# Altium PCB RK_NVR_DEMO1_RK3588_LP4XD200P232SD8_V21_20211228_final_lint.PcbDoc (part 1 of 29) (continued)
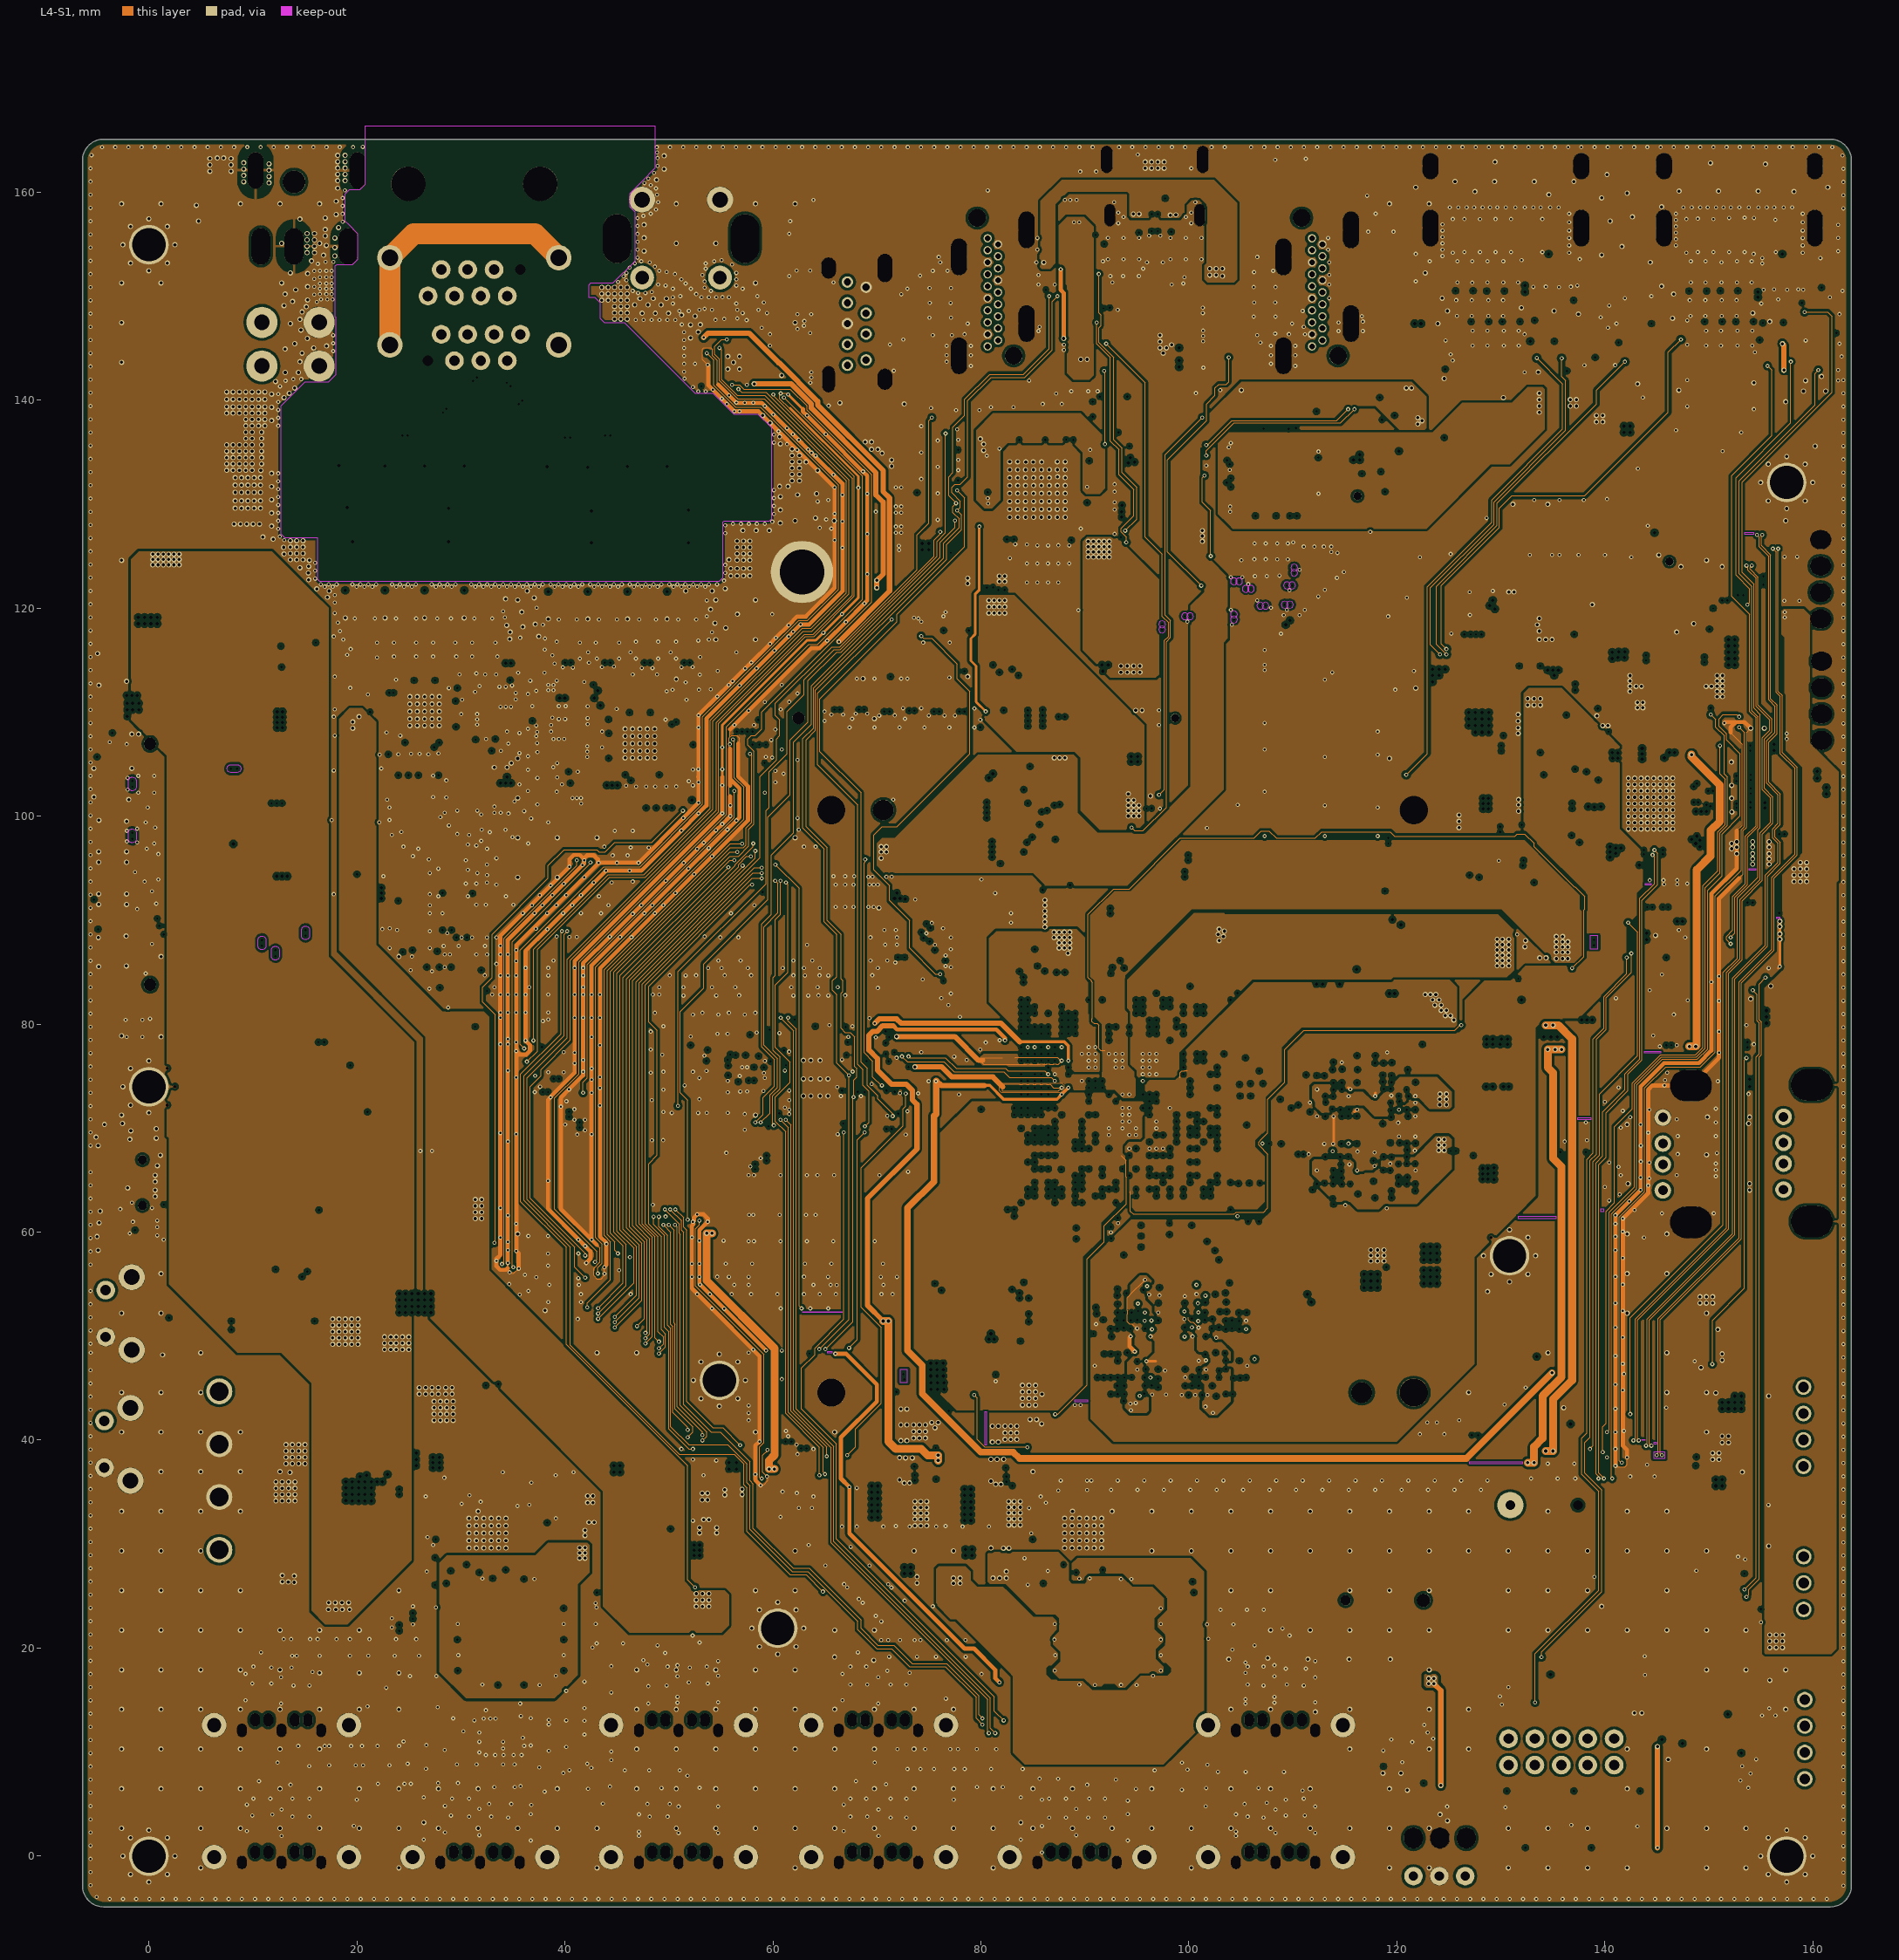
[diagram p4: L4-S1]
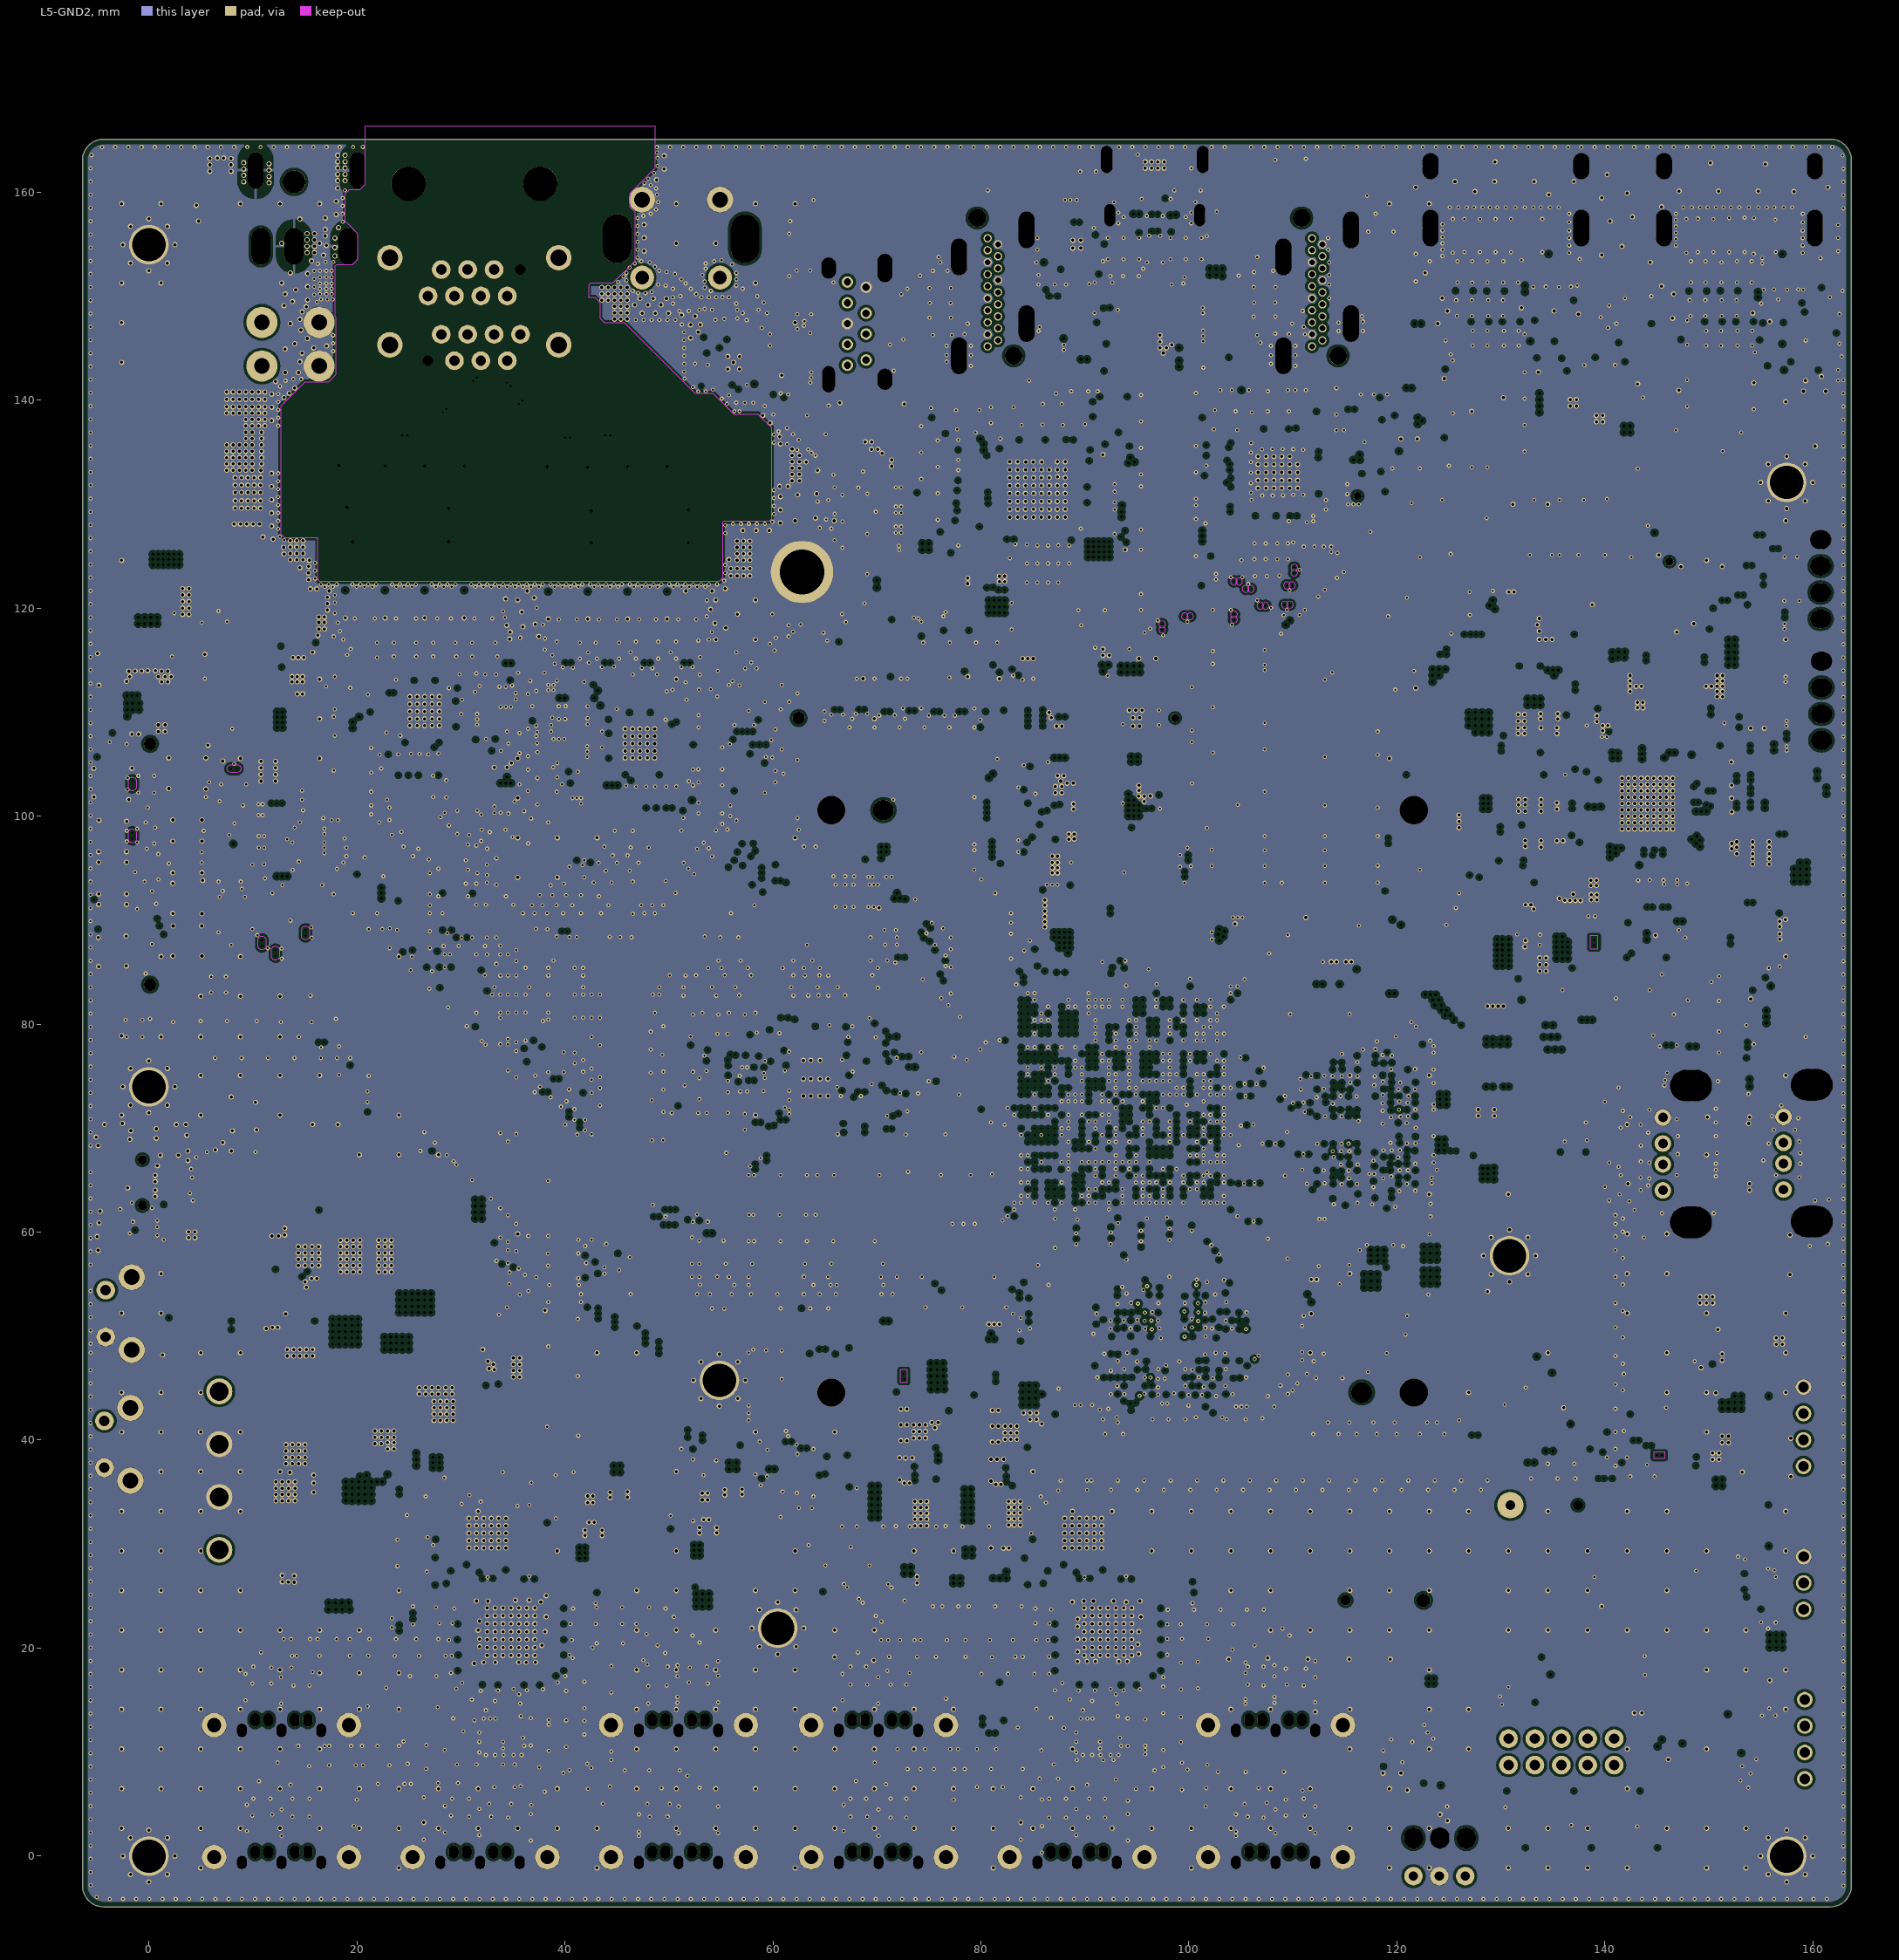
[diagram p5: L5-GND2]
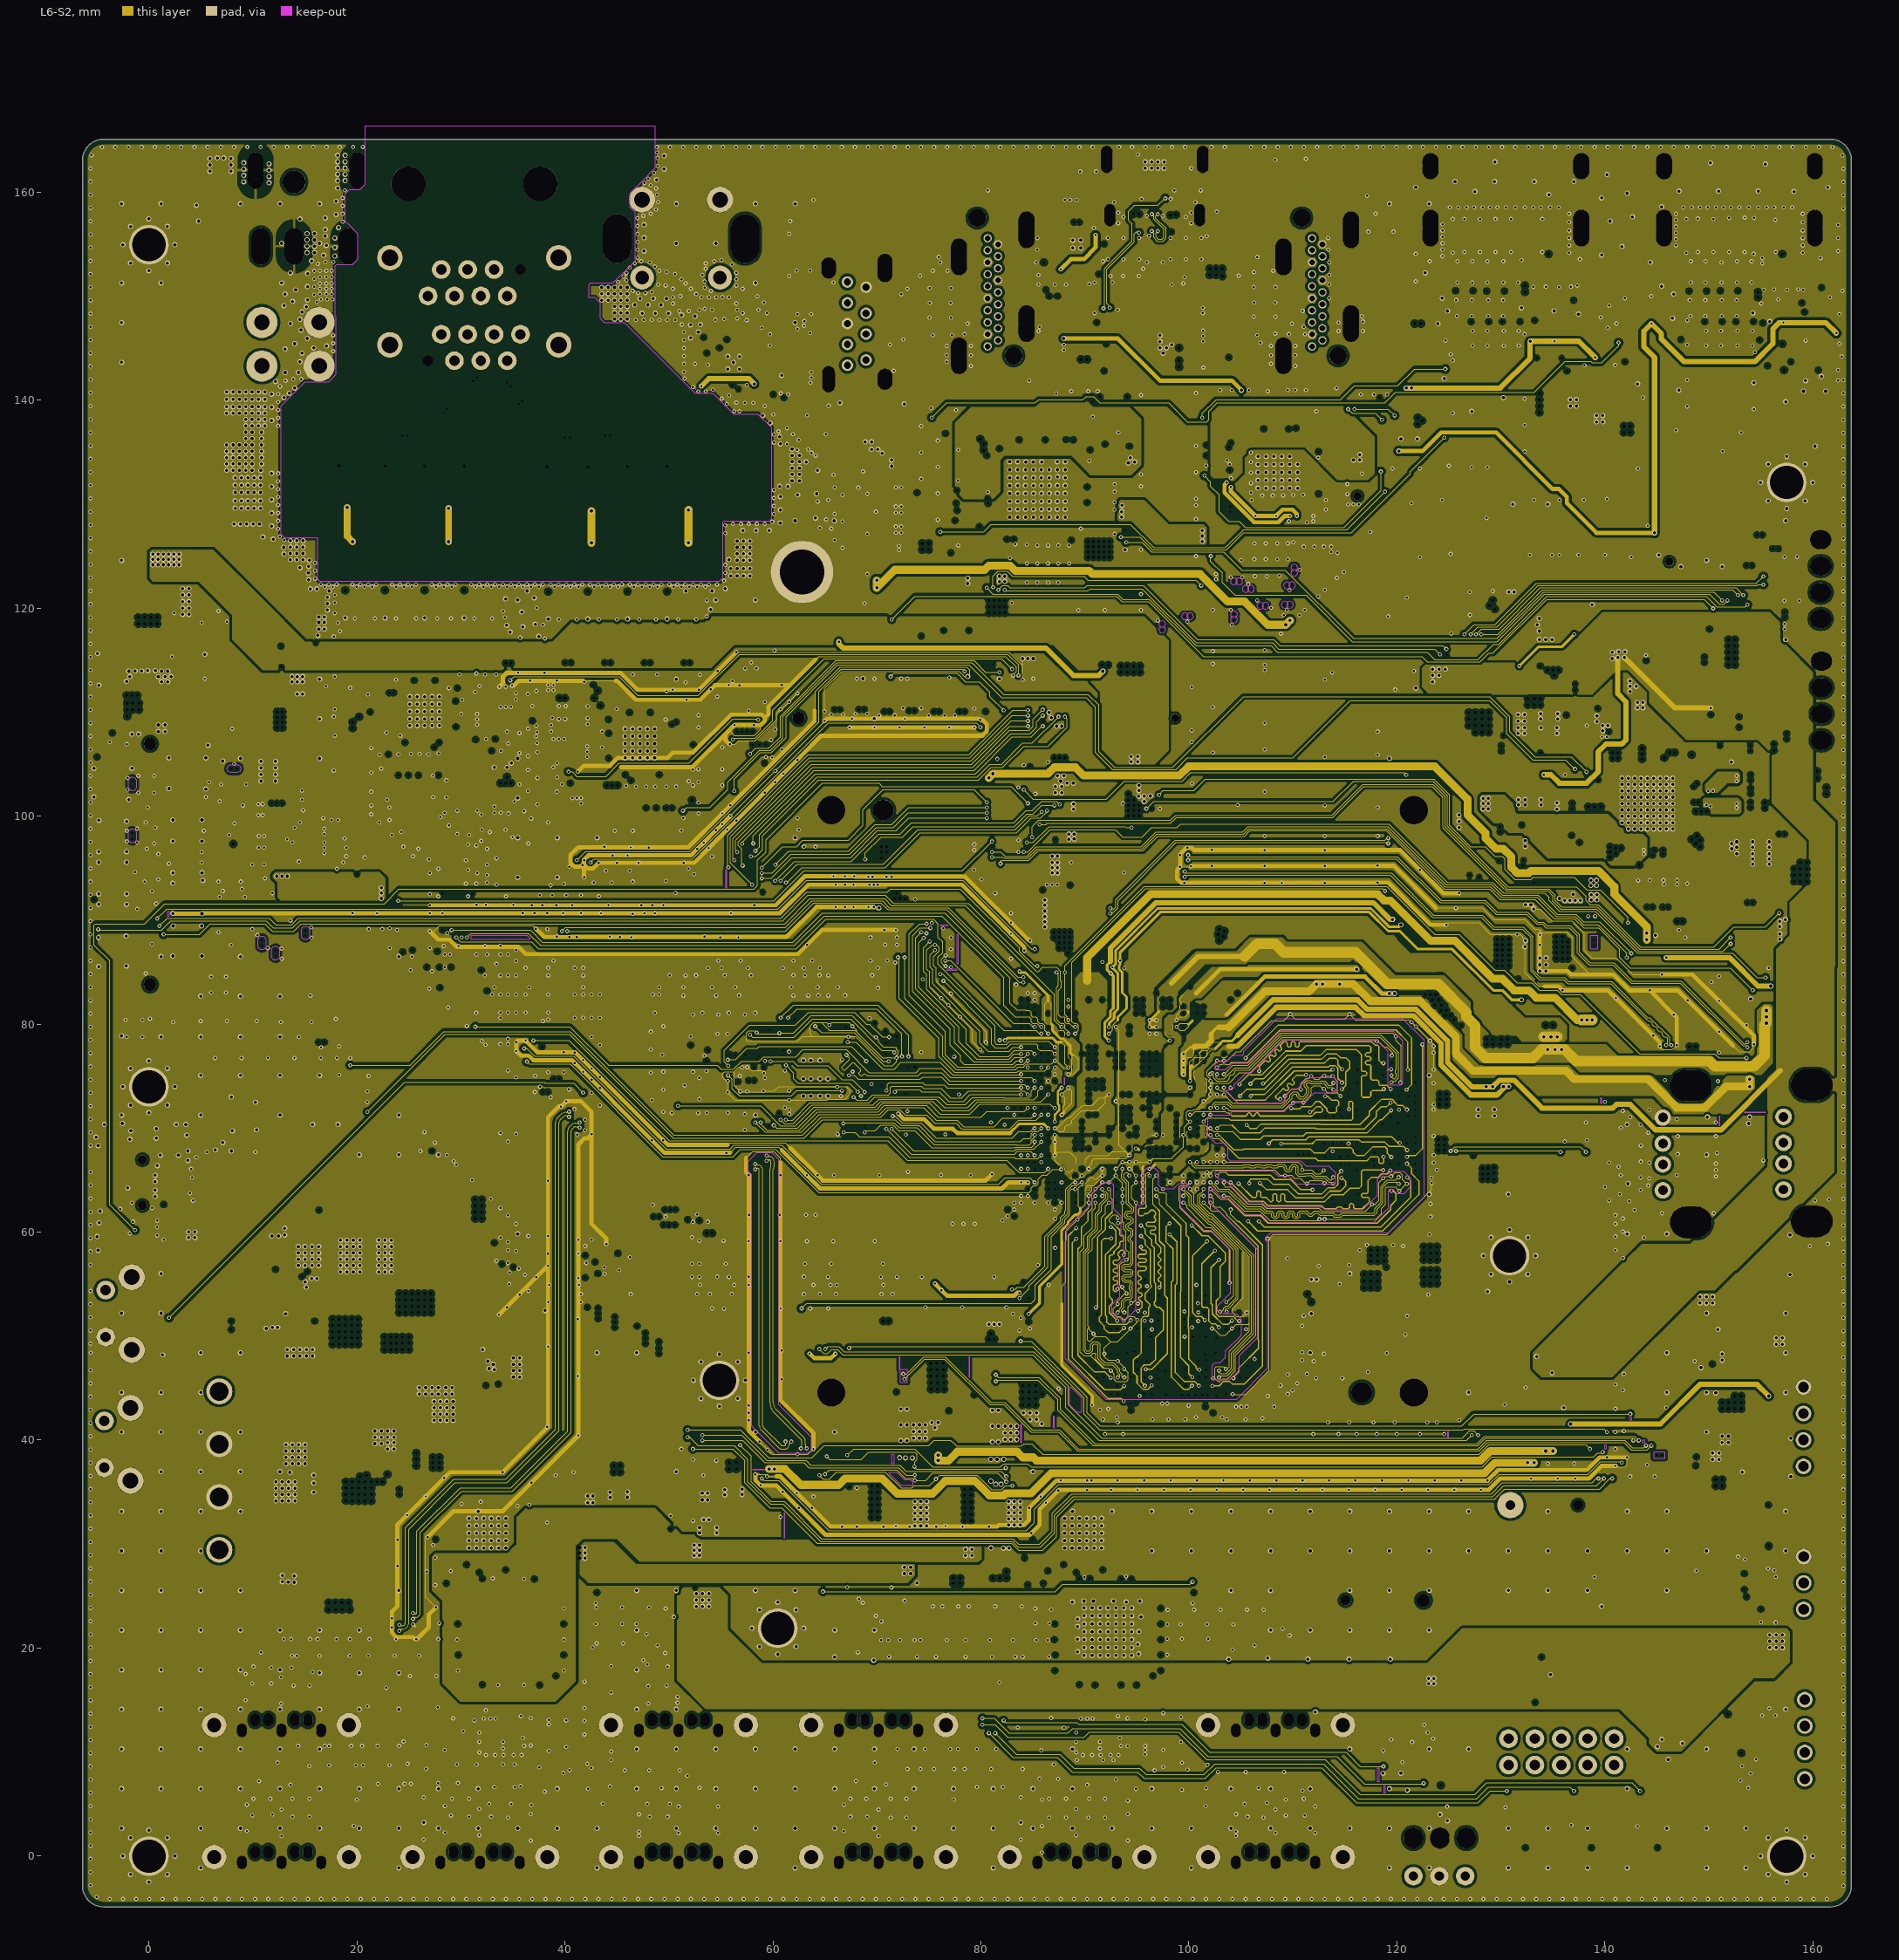
[diagram p6: L6-S2]